# Altium PCB Fornello.PcbDoc (part 2 of 2) (continued)
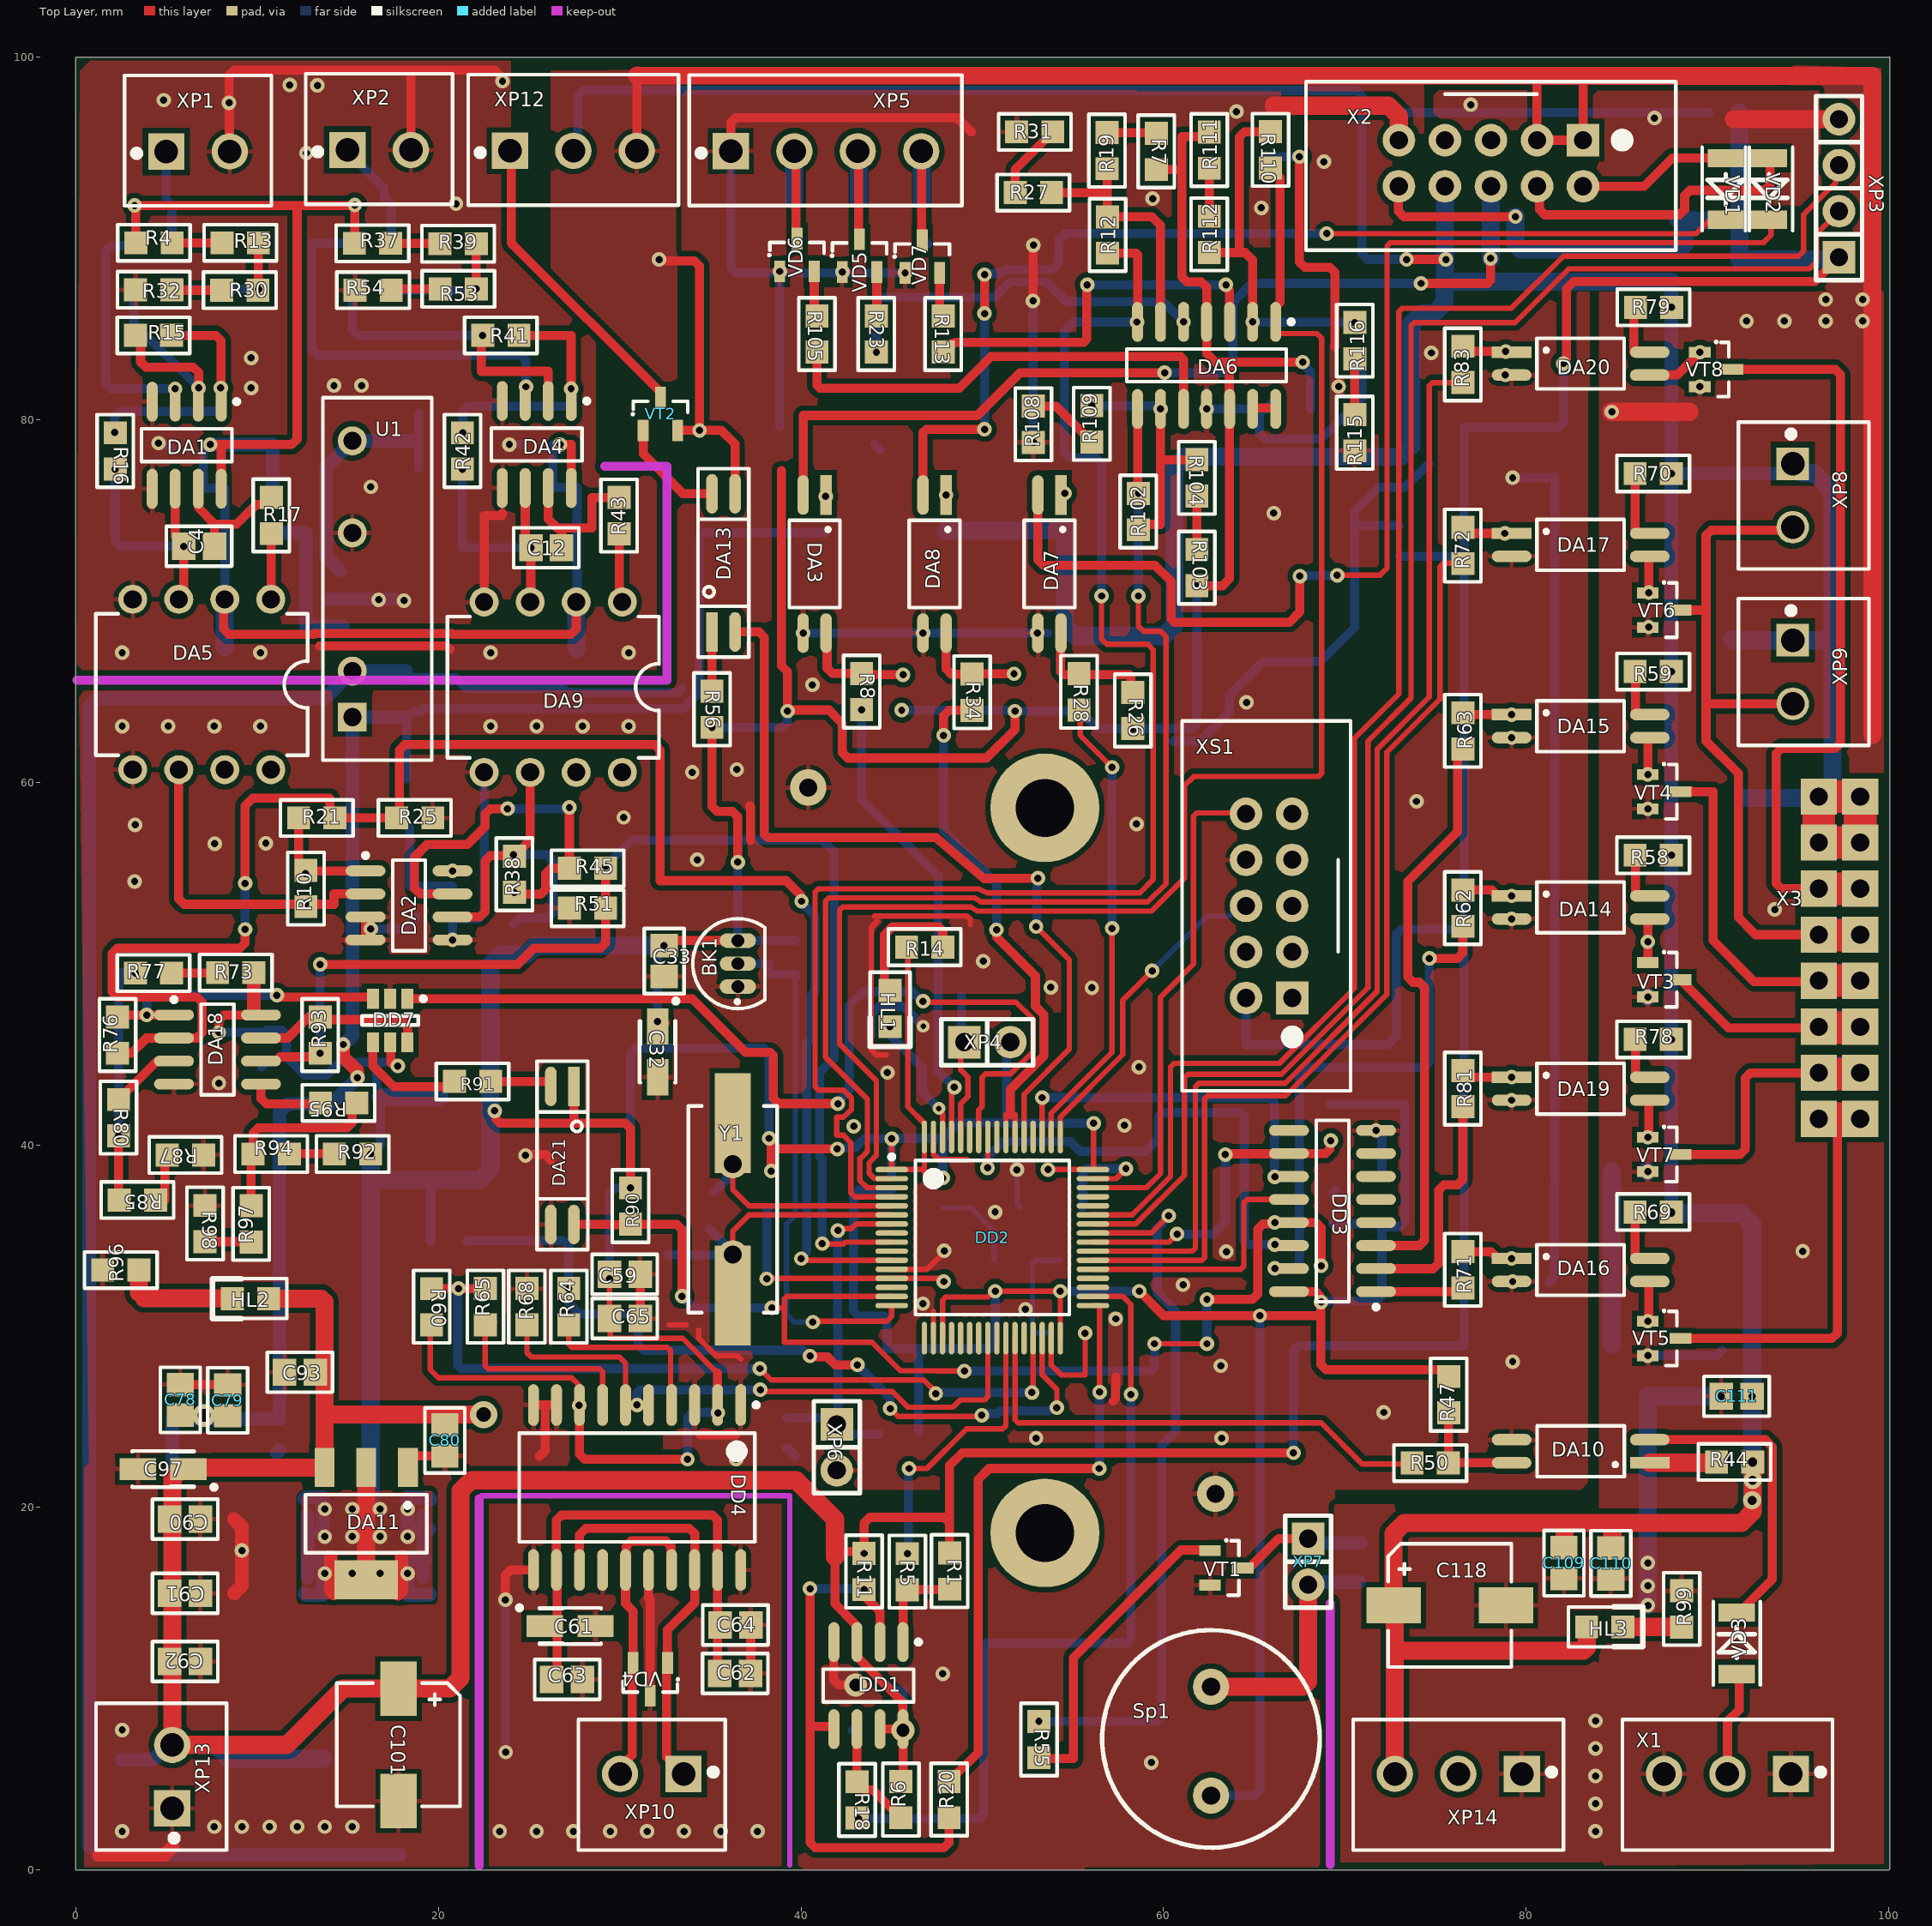
[diagram p0: Top Layer view]
## Nets (pads, with @x,y where several pads share a name; then routed paths per layer and width w, separated by ;. In a path a pad name is that pad's centre, name@x,y a point inside that pad or via, vN(x,y) a via of type N, cw(c..) or ccw(c..) an arc to the next point about the centre after c; other vN are vias at no path point) (continued)
  Bottom Layer w0.5: R46.2@15.389,87.15 15.256,87.016 15.256,84.954 15.549,84.661 v1(22.444,84.661)
NetDA4_3: DA4.3 R49.2 | length 21.7
  Bottom Layer w0.5: R49.2@15.383,89.741 13.021,89.741 13.021,83.861 13.313,83.568 24.539,83.568 24.832,83.276 v1(24.832,81.828)
NetDA5_1: DA5.1 R17.2 | length 3.6
  Top Layer w0.5: DA5.1@10.756,70.102 10.785,70.132 R17.2@10.785,73.729
NetDA6_2: DA6.2 R110.1 R112.1 R116.2 | length 19.9
  Top Layer w0.5: R112.1@62.525,89.233 64.1,89.233 ; v2(64.918,85.406) 64.918,88.807 64.493,89.233 64.1,89.233 ; R110.1@65.903,95.897 64.469,95.897 64.176,95.604 64.176,89.309 64.1,89.233
  Bottom Layer w0.5: v2(64.918,85.406) 64.935,85.389 70.535,85.389 v2(70.552,85.372)
NetDA6_3: DA6.3 R113.2 | length 21
  Top Layer w0.3: v2(63.443,87.455) 63.443,87.319 v2@63.648,87.114
  Top Layer w0.5: R113.2@47.844,83.737 48.329,84.222 48.447,84.222 48.505,84.28 55.59,84.28 55.766,84.455 v2@55.766,87.455 ; DA6.3@63.648,85.406 v2@63.648,87.114
  Bottom Layer w0.5: v2(55.794,87.455) v2(63.443,87.455)
NetDA6_5: DA6.5 R23.2 | length 21.1
  Bottom Layer w0.5: v2(44.161,83.737) 44.161,86.476 44.454,86.769 50.689,86.769 51.527,87.607 53.534,87.607 54.626,86.515 59.999,86.515 v2(61.108,85.406)
NetDA6_6: DA6.6 R12.1 R19.1 R27.2 | length 14.2
  Top Layer w0.5: R27.2@53.822,92.535 56.848,92.535 56.898,92.585 ; R19.1@56.885,93.855 56.898,93.842 56.898,92.585 ; DA6.6@59.838,85.406 59.838,90.726 59.366,91.198 R12.1@56.912,91.198 56.898,91.211 56.898,92.585
NetDA6_9: DA6.9 R102.1 R104.1 R109.2 | length 13.6
  Top Layer w0.5: R102.1@58.614,73.942 58.906,74.235 59.838,74.235 59.838,77.752 ; v2(59.838,80.606) 59.838,77.752 ; R104.1@61.839,77.803 59.889,77.803 59.838,77.752
  Bottom Layer w0.5: v2(56.048,80.784) 59.579,80.784 59.757,80.606 v2(59.838,80.606)
NetDA6_10: DA6.10 R105.2 | length 25.6
  Top Layer w0.5: R105.2@40.884,83.737 40.884,81.915 41.06,81.74 48.733,81.74 50.486,83.492 60.933,83.492 61.108,83.316 DA6.10@61.108,80.606
NetDA6_13: DA6.13 DA6.14 | length 1.3
  Top Layer w0.5: DA6.13@64.918,80.606 64.938,80.625 64.938,80.647 DA6.14@66.188,80.647
NetDA7_1: DA7.1 R29.1
  other v2: 54.55,75.952
NetDA7_2: DA7.2 VD2.2 | length 67.9
  Top Layer w0.3: v2(69.586,71.427) 71.951,71.427 72.33,71.806 72.33,89.598 72.505,89.774 93.093,89.774 93.515,90.196 VD2.2@93.515,91.043
  Top Layer w0.5: DA7.2@53.075,75.857 53.075,72.279 53.368,71.986 59.528,71.986 59.579,71.935 60.417,71.097 60.417,69.012 60.593,68.836 66.945,68.836 67.529,69.421 v2(67.529,71.376)
  Bottom Layer w0.3: v2(67.529,71.376) v2@67.554,71.402 ; v2@69.561,71.402 v2(69.586,71.427)
  Bottom Layer w0.5: v2@67.554,71.402 v2@69.561,71.402
NetDA7_4: DA7.4 R26.1 R28.1 | length 7.1
  Top Layer w0.3: DA7.4@54.321,68.176 54.345,68.2 DA7.4@54.345,68.237 ; 58.133,65.941 58.196,65.878 ; R26.1@58.196,65.082 R26.1@58.309,64.969
  Top Layer w0.5: DA7.4@54.321,68.176 54.321,66.117 54.497,65.941 58.133,65.941 ; R26.1@58.196,65.082 58.196,65.878
NetDA8_1: DA8.1 R35.1
  other v2: 48.005,75.857
NetDA8_2: DA8.2 VD1.2 | length 58
  Top Layer w0.3: v2(69.002,90.274) 89.383,90.274 90.152,91.043 VD1.2@90.652,91.043
  Top Layer w0.5: DA8.2@46.735,75.857 46.735,79.303 46.911,79.479 v2(50.13,79.479) ; v2(50.13,85.868) v2(50.13,88.013)
  Bottom Layer w0.5: v2(50.13,79.479) v2(50.13,85.868) ; v2(50.13,88.013) 50.187,88.071 51.001,88.071 51.237,88.307 53.927,88.307 54.219,88.6 54.219,89.918 54.575,90.274 v2(69.002,90.274)
NetDA8_4: DA8.4 R33.1 R34.1 | length 5.8
  Top Layer w0.5: DA8.4@48.005,68.237 48.005,66.268 48.298,65.976 R34.1@49.444,65.976 49.46,65.992 v1(51.756,65.992)
NetDA9_1: DA9.1 R43.2 | length 3.9
  Top Layer w0.5: R43.2@29.988,73.72 29.988,69.954 DA9.1@30.144,69.954
NetDA10_1: DA10.1 R44.2 | length 3.7
  Top Layer w0.5: R44.2@90.469,22.469 R44.2@90.507,22.507
  Top Layer w1: DA10.1@86.826,22.469 R44.2@90.469,22.469
NetDA10_2: DA10.2 VD3.2 | length 16.9
  Top Layer w0.5: DA10.2@86.826,23.739 93.195,23.739 93.592,23.342 93.592,16.032 VD3.2@91.699,14.139
NetDA10_4: DA10.4 R47.1 R50.1 | length 6.3
  Top Layer w0.5: R47.1@75.733,25.225 75.717,25.209 R50.1@75.717,22.456 75.73,22.469 DA10.4@79.206,22.469
NetDA12_1: DA12.1 L3.1 | length 9.1
  Bottom Layer w0.5: 12.69,68.608 12.692,68.606
  Bottom Layer w0.75: L3.1@10.785,73.755 12.69,73.755 12.69,68.608 ; 12.692,68.606 DA12.1@14.735,68.606
NetDA13_1: DA13.1 R56.1 | length 3.3
  Top Layer w0.5: R56.1@35.093,65.036 DA13.1@35.093,68.303
NetDA13_4: DA13.4 VT2.1 | length 6
  Top Layer w0.5: VT2.1@31.298,79.417 31.298,78.118 33.493,75.923 DA13.4@35.093,75.923
NetDA14_3: DA14.3 R66.2 VT3.1 | length 3.6
  Top Layer w0.5: VT3.1@86.716,50.066 v1(86.716,51.209) 86.716,52.407 86.778,52.469 DA14.3@86.826,52.469
  Bottom Layer w0.5: R66.2@86.716,50.066 v1(86.716,51.209)
NetDA14_4: DA14.4 R58.1 | length 2.4
  Top Layer w0.5: DA14.4@86.038,53.833 R58.1@86.038,56.213
NetDA15_3: DA15.3 R67.2 VT4.1 | length 2.1
  Top Layer w0.5: v1(86.716,60.439) 86.716,62.359 DA15.3@86.826,62.469
NetDA15_4: DA15.4 R59.1 | length 2.4
  Top Layer w0.5: DA15.4@86.038,63.739 R59.1@86.038,66.119
NetDA16_3: DA16.3 R74.2 VT5.1 | length 1.9
  Top Layer w0.5: VT5.1@86.771,30.467 DA16.3@86.771,32.409
  other v1: 86.716,30.274 86.716,30.274 86.716,30.274
NetDA16_4: DA16.4 R69.1 | length 2.4
  Top Layer w0.5: DA16.4@86.008,33.697 R69.1@86.008,36.077
NetDA17_3: DA17.3 R75.2 VT6.1 | length 2
  Top Layer w0.5: v1(86.771,70.472) 86.771,72.414 DA17.3@86.826,72.469
NetDA17_4: DA17.4 R70.1 | length 3
  Top Layer w0.5: DA17.4@86.013,73.739 R70.1@86.013,76.736
NetDA18_1: DA18.1 DD7.3 R76.2 | length 16.6
  Top Layer w0.5: R76.2@2.302,47.062 2.41,47.17 v1(3.912,47.17) DA18.1@5.414,47.17 ; v1(11.09,48.262) 11.171,48.262 11.273,48.161 16.314,48.161 16.389,48.086 DD7.3@16.389,48.065
  Bottom Layer w0.5: v1(3.912,47.17) 3.912,47.893 4.281,48.262 v1(11.09,48.262)
NetDA18_3: DA18.3 R80.2 | length 3.9
  Top Layer w0.5: R80.2@2.353,42.506 4.458,44.611 5.394,44.611 DA18.3@5.414,44.63
NetDA18_5: DA18.5 R95.2 | length 4.2
  Top Layer w0.5: DA18.5@10.214,43.36 10.214,42.561 10.506,42.268 13.443,42.268 R95.2@13.494,42.319
NetDA18_7: DA18.7 DD7.6 R93.2 | length 9.7
  Top Layer w0.5: DA18.7@10.214,45.9 11.686,45.9 12.848,47.062 R93.2@13.478,47.062 ; R93.2@13.395,46.979 13.458,46.916 17.996,46.916 18.289,46.623 DD7.6@18.289,45.665
NetDA19_3: DA19.3 R88.2 VT7.1 | length 1.9
  Top Layer w0.5: VT7.1@86.771,40.5 DA19.3@86.771,42.442
  other v1: 86.716,40.424
NetDA19_4: DA19.4 R78.1 | length 2.4
  Top Layer w0.5: DA19.4@86.038,43.673 R78.1@86.038,46.053
NetDA20_3: DA20.3 R89.2 VT8.1 | length 3.3
  Top Layer w0.5: DA20.3@86.826,82.469 88.329,82.469 v1(89.591,83.731)
NetDA20_4: DA20.4 R79.1 | length 2.5
  Top Layer w0.5: DA20.4@85.937,83.739 R79.1@85.937,86.21
NetDA21_2: DA21.2 R91.1 | length 3.6
  Top Layer w0.5: R91.1@22.885,43.505 26.141,43.505 26.203,43.443 DA21.2@26.203,43.233
NetDD1_1: DD1.1 R1.2 R5.2 | length 5.1
  Top Layer w0.5: DD1.1@45.63,12.577 R5.2@45.63,15.364 ; R5.2@45.866,15.458 45.884,15.476 48.186,15.476 R1.2@48.203,15.493
NetDD1_2: DD1.2 DD1.5 R11.2 R20.1 | length 30.8
  Top Layer w0.5: v2(40.503,15.522) 40.503,10.315 40.503,1.514 40.796,1.222 47.881,1.222 48.174,1.514 R20.1@48.174,2.889 ; 40.58,7.927 DD1.5@41.82,7.927 ; DD1.5@41.82,7.53 DD1.5@41.82,7.777 ; R11.2@43.399,15.217 44.36,14.256 DD1.2@44.36,12.577
  Bottom Layer w0.5: v2(40.503,15.522) 43.424,15.522 v2(43.479,15.468)
NetDD1_6: DD1.6 R6.1 R18.1 | length 5.5
  Top Layer w0.5: R18.1@43.09,4.877 DD1.6@43.09,7.777 ; R18.1@43.536,4.431 43.965,4.431 R6.1@45.511,2.885
NetDD4_4: DD4.4 R64.1 | length 9.9
  Top Layer w0.3: R64.1@27.194,30.078 27.194,29.005 27.37,28.83 32.632,28.83 32.807,28.654 32.807,25.711 DD4.4@32.865,25.654
NetDD4_7: DD4.7 R65.1 | length 10.9
  Top Layer w0.3: R65.1@22.596,30.078 22.571,30.052 22.571,27.83 22.747,27.654 28.879,27.654 29.055,27.478 DD4.7@29.055,25.654
  Top Layer w0.5: R65.1@22.883,30.057 R65.1@23.003,30.178
NetDD4_13: DD4.13 DD4.18 VD4.1 XP10.1 | length 22.7
  Top Layer w0.5: DD4.13@27.785,16.554 27.785,18.506 28.133,18.854 33.842,18.854 34.135,18.561 34.135,14.741 32.64,13.246 VD4.1@32.64,11.418 ; VD4.1@32.589,11.28 32.589,6.237 XP10.1@33.522,5.304
NetDD4_15: DD4.15 DD4.17 VD4.2 XP10.2 | length 16.7
  Top Layer w0.5: XP10.2@30.022,5.304 30.022,5.68 30.689,6.347 VD4.2@30.689,11.026 ; VD4.2@30.74,11.418 30.74,14.295 30.325,14.709 DD4.15@30.325,16.554 30.344,16.573 30.344,17.494 30.357,17.507 30.357,17.861 30.65,18.154 32.539,18.154 32.832,17.861 32.832,17.464 32.865,17.431 DD4.17@32.865,16.554
NetDD7_4: DD7.4 R91.2 | length 6.4
  Top Layer w0.5: DD7.4@16.389,45.665 16.389,44.361 17.542,43.208 20.588,43.208 R91.2@20.885,43.505
NetHL1_1: HL1.1 R14.2 | length 7.6
  Top Layer w0.5: HL1.1@44.914,48.526 44.593,48.847 44.593,51.584 45.04,52.031 47.602,52.031 47.828,51.805 R14.2@47.828,50.913
NetHL2_2: HL2.2 R96.1 | length 6.5
  Top Layer w0.5: 3.48,31.842 3.772,31.549 ; HL2.2@8.608,31.549 HL2.2@8.633,31.524
  Top Layer w1: 3.48,31.842 R96.1@3.48,33.099 ; 3.772,31.549 HL2.2@8.608,31.549
NetHL3_2: HL3.2 R99.1 | length 3.2
  Top Layer w0.3: R99.1@88.576,13.414 R99.1@88.586,13.404
  Top Layer w1: HL3.2@85.344,13.414 R99.1@88.576,13.414
NetR4_1: R4.1 R13.2 | length 2.8
  Top Layer w0.5: R4.1@5.308,89.766 R13.2@8.068,89.766
NetR7_1: R7.1 R19.2 | length 2.7
  Top Layer w0.5: R19.2@56.885,95.855 56.907,95.833 59.582,95.833 R7.1@59.604,95.811
NetR13_1: R13.1 R22.1 R30.2 | length 7.6
  Top Layer w0.5: R30.2@10.042,87.15 10.068,87.175 R13.1@10.068,89.766
  Bottom Layer w0.5: R22.1@5.258,87.226 5.223,87.226 5.223,87.201 v1(10.1,87.201)
NetR23_1: R23.1 VD5.2 | length 2.4
  Top Layer w0.3: R23.1@44.161,85.737 R23.1@44.185,85.76
  Top Layer w0.5: R23.1@44.185,85.76 VD5.2@44.185,88.161
NetR27_1: R27.1 R31.2 | length 4.2
  Top Layer w0.5: R27.1@51.822,92.535 51.822,93.811 R31.2@53.899,95.887
NetR30_1: R30.1 R32.2 | length 2.8
  Top Layer w0.5: R32.2@5.283,87.15 R30.1@8.042,87.15
NetR37_1: R37.1 R39.2 | length 2.7
  Top Layer w0.5: R37.1@17.364,89.741 20.088,89.741 R39.2@20.088,89.715
NetR39_1: R39.1 R46.1 R53.2 | length 7.2
  Top Layer w0.5: R39.1@22.088,89.715 v1(22.088,87.226) R53.2@22.098,87.226
  Bottom Layer w0.5: R46.1@17.389,87.15 v1@22.063,87.15
NetR53_1: R53.1 R54.2 | length 2.7
  Top Layer w0.5: R54.2@17.399,87.226 R53.1@20.098,87.226
NetR55_2: R55.2 VT1.1 | length 17.5
  Top Layer w0.3: VT1.1@62.524,17.655 VT1.1@62.565,17.615
  Top Layer w0.5: R55.2@53.127,6.2 53.178,6.149 55.032,6.149 55.032,11.712 60.976,17.655 VT1.1@62.524,17.655
NetR73_1: R73.1 R77.2 | length 2.5
  Top Layer w0.5: R77.2@5.283,49.482 7.795,49.482 R73.1@7.82,49.507
NetR77_1: R77.1 R80.1 R85.2 | length 13.4
  Top Layer w0.5: R85.2@2.353,36.959 v1(2.353,40.506)
  Bottom Layer w0.5: v1(2.353,40.506) 2.353,49.29 2.6,49.538 3.227,49.538 v1(3.283,49.482)
NetR85_1: R85.1 R87.2 | length 1.8
  Top Layer w0.5: R85.1@4.902,36.959 4.902,38.798
NetR86_1: R86.1 VT1.3 XP7.1 | length 7.3
  Top Layer w0.5: VT1.3@64.365,16.665 64.415,16.715 64.785,16.715 66.351,18.281 XP7.1@67.981,18.281
  Bottom Layer w0.5: XP7.1@67.981,18.281 XP7.1@68.241,18.02
  Bottom Layer w0.75: XP7.1@68.241,18.02 R86.1@70.907,18.02
NetR86_2: R86.2 Sp1.1 XP7.2 | length 13.9
  Top Layer w1: Sp1.1@62.622,10.109 67.688,10.109 67.981,10.402 XP7.2@67.981,15.741
  Bottom Layer w0.5: XP7.2@67.981,15.741 XP7.2@68.121,15.88 ; R86.2@70.767,15.88 R86.2@70.907,16.02
  Bottom Layer w0.75: XP7.2@68.121,15.88 R86.2@70.767,15.88
NetR92_1: R92.1 R94.2 | length 2.5
  Top Layer w0.5: R94.2@11.776,39.525 R92.1@14.265,39.525
NetR94_1: R94.1 R95.1 R97.2 | length 11.1
  Top Layer w0.5: R97.2@9.668,36.648 9.668,39.391 R94.1@9.776,39.499 9.776,40.654 10.069,40.947 14.949,40.947 15.242,41.24 15.242,41.934 15.36,42.052 R95.1@15.507,42.052 ; R95.1@15.494,42.319 15.634,42.179 R95.1@15.761,42.052
NetR97_1: R97.1 R98.2 | length 2.5
  Top Layer w0.5: R98.2@7.128,34.664 9.652,34.664 R97.1@9.668,34.648
NetR103_1: R103.1 R104.2 | length 3
  Top Layer w0.5: R103.1@61.839,72.85 R104.2@61.839,75.803
NetR105_1: R105.1 VD6.2 | length 2.5
  Top Layer w0.3: R105.1@40.732,85.889 R105.1@40.884,85.737
  Top Layer w0.5: R105.1@40.732,85.889 VD6.2@40.732,88.191
NetR108_2: R108.2 R109.1 | length 4
  Top Layer w0.5: R108.2@52.822,80.758 54.074,80.758 R109.1@56.048,78.784
NetR111_1: R111.1 R112.2 | length 2.6
  Top Layer w0.5: R112.2@62.525,91.233 R111.1@62.525,93.881
NetR113_1: R113.1 VD7.2 | length 2.5
  Top Layer w0.3: R113.1@47.646,85.935 R113.1@47.844,85.737
  Top Layer w0.5: R113.1@47.646,85.935 VD7.2@47.646,88.111
NetR115_2: R115.2 R116.1 | length 3.1
  Top Layer w0.5: R115.2@70.552,80.292 R116.1@70.552,83.372
NetVD3_1: VD3.1 X1.2 | length 5.8
  Top Layer w0.5: X1.2@91.112,5.304 91.112,8.2 91.766,8.854 91.766,10.672 VD3.1@91.627,10.81
OE: DA21.4 DD2.15 DD3.13 R82.1 R90.1 | length 63.6
  Top Layer w0.3: v2@38.3,30.92 v2(38.395,31.016) 39.081,31.016 ; 43.907,29.111 39.081,29.111 39.081,31.016 ; 43.92,29.124 45.502,27.541 47.466,27.541 47.482,27.525 v2(49.018,27.525) ; DD2.15@45.008,31.641 39.208,31.641 39.081,31.514 39.081,31.016 ; v2(59.503,29.035) v2(62.398,29.035)
  Top Layer w0.5: DA21.4@27.473,35.613 29.48,35.613 29.505,35.588 30.556,35.588 R90.1@30.597,35.629 33.149,35.629 33.442,35.336 v2(33.442,31.651) ; v2(62.398,31.473) 64.899,31.473 65.192,31.766 65.192,35.346 65.485,35.639 65.83,35.639 65.855,35.664 66.04,35.664 66.103,35.727 v1(66.144,35.727) ; DD3.13@66.925,35.722 68.405,35.722 68.697,35.429 v2(68.697,33.337)
  Bottom Layer w0.5: v2(33.442,31.651) 34.077,31.016 v2(38.395,31.016) ; v2(49.018,27.525) 59.327,27.525 59.503,27.701 v2(59.503,29.035) ; v2(62.398,29.035) v2(62.398,31.473)
Off: DA13.2 DD2.53 | length 44.7
  Top Layer w0.3: DD2.53@52.308,40.441 52.308,42.795 54.804,45.291 54.804,50.218 v2(52.975,52.047)
  Top Layer w0.5: DA13.2@36.363,68.303 37.691,68.303 37.984,68.01 37.984,57.13 38.16,56.954 47.45,56.954 50.102,54.699 50.417,54.699 50.433,54.714 v2(53.076,54.714)
  Bottom Layer w0.5: v2(52.975,52.047) 53.026,52.098 53.026,54.663 v2(53.076,54.714)
Off_rl: VT2.3 XP12.1 | length 17.1
  Top Layer w0.5: XP12.1@23.946,94.842 24.019,94.77 24.019,89.754 24.312,89.461 32.198,81.574 32.198,81.267 VT2.3@32.248,81.217
Reset: C17.1 DD2.7 R52.2 XP6.1 | length 19.3
  Top Layer w0.3: v1(42.041,35.283) 42.136,35.379 42.778,35.379 43.041,35.641 DD2.7@45.008,35.641
  Bottom Layer w0.5: C17.1@39.173,24.957 41.609,24.957 42.527,24.04 42.811,24.04 42.819,24.031 R52.2@44.314,24.031 ; v1(42.041,35.283) 42.028,35.27 42.028,29.996 42.05,29.973 XP6.1@42.05,24.59
Right: DD3.2 R81.1 | length 13.2
  Top Layer w0.5: DD3.2@71.725,33.182 71.732,33.175 74.882,33.175 75.174,33.468 75.174,37.505 75.467,37.798 76.223,37.798 76.516,38.09 R81.1@76.516,42.106
Rt_rl: VT7.3 X3.3 X3.4 | length 16.5
  Top Layer w0.5: VT7.3@88.516,39.474 91.798,39.474 92.091,39.767 92.091,43.687 92.384,43.98 X3.3@96.148,43.98 X3.3@96.209,43.919 ; X3.4@98.434,43.98 98.434,43.926 X3.4@98.441,43.919
  Top Layer w1.8: X3.3@96.209,43.919 X3.4@98.441,43.919
  Bottom Layer w1.8: X3.3@96.148,43.98 X3.4@98.434,43.98
RX1: DD2.43 XP3.3 | length 90.8
  Top Layer w0.3: DD2.43@56.108,36.141 58.266,36.141 60.392,38.267 60.392,44.3 60.595,44.503 66.398,44.503 70.531,48.636 70.531,62.418 72.99,64.877 72.99,85.983 73.166,86.159 79.189,86.159 82.059,89.029 95.025,89.029 95.318,89.322 95.318,91.329 96.75,92.761 96.78,92.761 97.073,93.054 97.073,93.856 XP3.3@97.268,94.051
RX3: DD2.30 R61.1 R64.2 | length 44
  Top Layer w0.3: v2(44.923,25.453) 44.926,25.453 45.349,25.031 49.916,25.031 v2(49.978,25.092) ; DD2.30@53.308,29.341 53.308,27.329 54.118,26.52 v2(54.118,25.504)
  Top Layer w0.5: v2(40.503,28.361) 40.561,28.303 41.466,28.303 41.903,27.866 v2(43.12,27.866)
  Bottom Layer w0.5: R61.1@21.564,34.673 21.615,34.724 26.901,34.724 27.194,34.431 v2(27.194,32.078) 27.251,32.02 27.251,31.216 27.782,30.686 30.736,30.686 31.029,30.393 31.029,28.972 31.322,28.679 40.104,28.679 40.422,28.361 v2(40.503,28.361) ; v2(43.12,27.866) 44.915,26.071 44.915,25.462 v2(44.923,25.453) ; v2(49.978,25.092) 50.064,25.179 50.828,25.179 50.991,25.342 53.692,25.342 53.758,25.408 54.022,25.408 v2(54.118,25.504)
SCK: DD2.51 DD3.11 | length 19.2
  Top Layer w0.3: DD2.51@53.308,40.441 v1(53.308,42.61)
  Bottom Layer w0.5: v1(53.308,42.61) 65.836,42.61 66.129,42.317 v1@66.129,38.244
  other v1: 66.144,38.244
Sp1: DD2.41 R55.1 | length 40.1
  Top Layer w0.3: DD2.41@56.108,35.141 59.335,35.141 v2(60.29,36.096)
  Bottom Layer w0.5: v2(53.127,8.2) 59.616,8.2 59.909,8.493 59.909,23.435 60.671,24.197 60.671,30.83 59.655,31.846 59.655,35.416 60.29,36.051 v2(60.29,36.096)
SWCLK: DD2.49 XS1.6 | length 17.9
  Top Layer w0.3: DD2.49@54.308,40.441 54.308,41.539 57.75,44.981 57.75,47.983 v2(59.373,49.606)
  Bottom Layer w0.3: v2(59.373,49.606) 62.383,52.617 63.631,52.617 64.205,53.19 XS1.6@64.557,53.19
SWDIO: DD2.46 XS1.10 | length 27.5
  Top Layer w0.3: DD2.46@56.108,37.641 59.059,37.641 59.833,38.415 59.833,48.149 61.658,49.974 61.658,58.143 61.834,58.318 64.509,58.318 XS1.10@64.557,58.27
Temp: DA18.2 DD2.11 R21.2 R25.2 R76.1 | length 98.2
  Top Layer w0.3: v2(40.021,33.727) 40.107,33.641 DD2.11@45.008,33.641
  Top Layer w0.5: R76.1@2.302,45.062 3.064,45.062 3.902,45.9 DA18.2@5.414,45.9 6.683,45.9 6.975,46.193 6.975,47.868 6.683,48.161 2.29,48.161 1.997,48.454 1.997,50.56 2.29,50.853 9.045,50.853 9.338,51.146 v1(9.338,51.895) ; v1(9.338,54.435) 9.338,58.714 9.75,59.126 13.998,59.126 14.021,59.103 14.021,58.311 R21.2@14.291,58.041 R25.2@17.694,58.041 17.847,58.194 17.847,61.787 18.139,62.08 31.938,62.08 32.231,61.787 32.231,54.579 39.188,54.579 39.975,53.791 39.975,53.501 v2(40.033,53.444)
  Bottom Layer w0.5: v1(9.338,51.895) v1(9.338,54.435) ; v2(40.021,33.727) 40.021,33.809 40.328,34.116 40.328,45.623 40.591,45.886 40.591,48.263 40.776,48.448 40.776,52.62 40.033,53.363 v2(40.033,53.444)
tempIn: R3.1 R24.1 XP1.1 | length 5.4
  Bottom Layer w0.5: XP1.1@4.99,94.804 4.99,92.158 R3.1@5.299,91.849 R24.1@5.299,89.512
TX1: DD2.42 XP3.2 | length 88.4
  Top Layer w0.3: DD2.42@56.108,35.641 58.473,35.641 61.154,38.322 61.154,43.716 61.341,43.903 66.505,43.903 71.288,48.686 71.288,62.283 73.66,64.655 73.66,85.196 73.836,85.372 79.391,85.372 82.349,88.329 95.616,88.329 96.018,88.731 96.018,90.261 XP3.2@97.268,91.511
TX3: DD2.29 R60.1 R65.2 | length 42.6
  Top Layer w0.3: v2(37.735,27.663) 38.357,27.041 46.783,27.041 47.438,26.387 v2(47.438,26.281) ; v2(52.746,26.342) 52.808,26.404 DD2.29@52.808,29.341
  Top Layer w0.5: R60.1@19.625,32.077 R65.2@22.596,32.078
  Bottom Layer w0.5: v2@21.072,32.039 21.072,27.839 21.248,27.663 v2(37.735,27.663) ; v2(47.438,26.281) 47.495,26.338 47.707,26.338 47.711,26.342 v2(52.746,26.342)
  other v2: 21.11,32.077
XTAL1: C11.1 DD2.5 R40.2 Y1.2 | length 15.2
  Top Layer w0.3: Y1.2@36.238,38.949 36.238,37.537 37.134,36.641 DD2.5@45.008,36.641
  Bottom Layer w0.5: R40.2@35.22,37.417 36.217,38.413 36.217,38.927 Y1.2@36.238,38.949 36.238,41.563 C11.1@36.296,41.621
XTAL2: C13.1 DD2.6 R40.1 Y1.1 | length 16
  Top Layer w0.3: Y1.1@36.238,33.949 36.238,35.245 37.134,36.141 DD2.6@45.008,36.141
  Bottom Layer w0.5: C13.1@32.655,33.949 Y1.1@36.238,33.949 36.238,34.084 R40.1@34.936,35.386
pads on no net: DA5.7 DA5.8 DA9.7 DA9.8 DD2.8 DD2.10 DD2.14 DD2.17 DD2.20 DD2.21 DD2.22 DD2.23 DD2.25 DD2.28 DD2.35 DD2.36 DD2.44 DD2.45 DD2.52 DD2.56 DD2.59 DD3.4 DD3.5 DD3.6 DD3.7 DD3.9 X2.5 X2.7 XP14.2 XS1.1 XS1.3 XS1.4 XS1.5 XS1.7 XS1.9

## Polygon pours and split planes (outlines as drawn)
GND on Bottom Layer "GND" (solid, remove dead copper, pour order 17): 32.883,84.203 32.883,81.689 32.381,20.97 83.46,20.97 83.409,21.021 83.409,84.667
GND on Bottom Layer "GND" (solid, remove dead copper, pour order 15): 32.883,99.493 32.883,81.956 58.436,81.956 58.436,84.915 58.436,91.179 58.436,99.493
GND on Bottom Layer "GND_L02_P046" (solid, pour order 46): 61.789,84.991 61.789,81.576 61.905,81.46 75.225,81.46 75.225,84.94 75.2,84.965
GND12V on Bottom Layer "GND" (solid, remove dead copper, pour order 51): 25.849,99.442 25.898,99.393 25.898,82.222 32.817,82.222 32.872,82.168 32.872,99.481 32.883,99.493
GND on Bottom Layer "GND_L02_P040" (solid, remove dead copper, pour order 40): 35.627,97.462 35.627,98.529 35.627,89.766 58.182,89.766 58.385,89.969 58.385,97.462
GND on Bottom Layer "GND" (solid, remove dead copper, pour order 25): 74.514,98.377 74.514,81.634 83.414,81.634 83.414,87.033 83.734,87.353 83.861,87.226 90.948,87.226 90.948,90.782 90.948,98.377
GND12V on Bottom Layer "GND12V_L02_P045" (solid, remove dead copper, pour order 45): 66.767,99.52 66.767,89.385 67.834,89.385 67.859,89.41 67.91,89.36 67.91,85.423 74.539,85.423 74.387,85.575 74.387,99.469
GND on Bottom Layer "GND_L02_P043" (solid, pour order 43): 58.121,97.843 58.121,89.616 58.677,89.616 66.348,89.616 66.348,97.843
GND12V on Bottom Layer "GND" (solid, remove dead copper, pour order 23): 69.468,20.16 69.34,20.287 69.468,0.409 84.395,0.409 84.14,0.663 84.14,20.287
GND on Bottom Layer "GND" (solid, remove dead copper, pour order 27): 0.016,65.636 0.93,64.722 0.93,24.59 23.968,24.59 24.146,24.767 24.146,21.034 24.73,20.957 33.468,20.957 33.468,64.772 32.655,65.585
GND on Bottom Layer "GND" (solid, remove dead copper, pour order 34): 39.715,21.11 39.386,0.155 55.566,0.028 55.693,0.155 69.459,0.155 69.459,21.11 69.282,21.288
GND on Bottom Layer "GND" (solid, remove dead copper, pour order 10): 0.194,0.409 0.194,0.764 0.194,25.047 21.631,25.047 21.657,25.072 21.657,0.256 21.733,0.18
GND12V on Bottom Layer "GND" (solid, remove dead copper, pour order 21): 84.039,87.099 84.039,0.409 83.963,0.333 84.064,0.231 99.742,0.333 99.685,86.718 99.228,87.175
AGND on Bottom Layer "GND" (solid, remove dead copper, pour order 1): 0.166,99.238 0.752,99.824 25.848,99.824 25.898,89.291 25.848,87.937 25.898,77.447 32.452,77.447 32.452,65.661 20.514,65.661 20.514,67.744 13.452,67.744 13.452,65.636 0.016,65.636 0.016,65.687
GND12V on Bottom Layer "GND" (solid, pour order 37): 91.456,98.681 91.456,86.464 99.635,86.464 99.635,98.681
GND on Bottom Layer "GND" (solid, pour order 19): 29.112,82.168 29.112,77.733 28.95,77.57 33.165,77.57 32.872,81.956 32.872,82.168
G4851 on Bottom Layer "GND" (solid, remove dead copper, pour order 29): 22.393,20.653 22.241,20.5 22.241,0.231 39.335,0.231 39.386,0.282 39.386,20.627
3.3V on Bottom Layer "3.3V" (solid, remove dead copper, pour order 8): 12.398,20.983 12.474,20.907 12.474,14.988 19.688,14.988 19.688,20.83 19.612,20.907
GND on Top Layer "GND" (solid, remove dead copper, pour order 16): 32.385,84.921 32.385,81.765 32.385,20.983 83.465,20.983 83.414,21.034 83.414,84.921
GND on Top Layer "GND" (solid, remove dead copper, pour order 26): 74.895,99.508 74.895,81.634 83.515,81.634 83.515,87.033 83.836,87.353 83.963,87.226 96.462,87.353 96.129,99.647
GND on Top Layer "GND" (solid, remove dead copper, pour order 14): 33.417,99.493 33.417,82.171 58.391,81.956 58.391,85.277 58.537,85.131 58.537,99.493
GND on Top Layer "GND" (solid, remove dead copper, pour order 28): 0.012,65.647 0.166,64.784 0.752,20.195 33.464,20.703 33.464,64.784 32.651,65.596
GND on Top Layer "GND" (solid, remove dead copper, pour order 35): 39.665,21.11 39.665,0.028 55.566,0.028 55.693,0.155 69.459,0.155 69.459,21.11 69.282,21.288
GND on Top Layer "GND_L01_P039" (solid, pour order 39): 35.525,98.427 35.525,89.664 35.627,89.766 58.182,89.766 58.182,98.478 58.283,98.58
GND on Top Layer "GND_L01_P042" (solid, remove dead copper, pour order 42): 57.902,98.123 58.004,89.537 58.817,89.537 66.488,89.537 66.488,98.123
AGND on Top Layer "GND" (solid, remove dead copper, pour order 3): 0.217,99.238 0.803,99.824 23.993,99.824 23.993,92.204 28.692,87.505 28.692,86.718 28.692,77.447 32.502,77.447 32.502,65.661 20.564,65.661 20.564,67.744 13.503,67.744 13.503,65.636 0.067,65.636 0.067,65.687
GND12V on Top Layer "GND" (solid, remove dead copper, pour order 53): 26.154,99.264 26.203,99.215 26.203,82.044 33.122,82.044 33.176,81.99 33.176,99.303 33.188,99.315
3.3V on Top Layer "3.3V" (solid, remove dead copper, pour order 7): 12.386,20.983 12.462,20.907 12.462,14.938 19.675,14.938 19.675,20.83 19.599,20.907
G4851 on Top Layer "GND1" (solid, remove dead copper, pour order 30): 22.399,20.642 22.247,20.49 22.247,0.221 39.341,0.221 39.392,0.271 39.392,20.617
GND12V on Top Layer "GND12V_L01_P044" (solid, remove dead copper, pour order 44): 67.834,99.469 67.91,89.36 67.834,89.385 67.859,89.41 67.91,89.36 67.91,85.423 74.539,85.423 74.387,85.575 74.387,99.469
3.3V on Top Layer "3.3V_L01_P050" (solid, pour order 50): 12.666,20.704 12.792,20.83 19.688,20.83 19.688,15.916 19.675,15.903 19.675,14.938 12.792,14.938
GND on Top Layer "GND" (solid, remove dead copper, pour order 38): 0.371,22.608 0.473,22.507 0.473,0.155 22.028,0.155 22.221,0.348 22.165,0.404 22.165,22.532
GND12V on Top Layer "GND" (solid, remove dead copper, pour order 36): 94.504,99.596 94.504,86.972 99.422,86.972 99.584,86.81 99.584,99.418
GND12V on Top Layer "GND" (solid, remove dead copper, pour order 22): 84.029,87.099 84.029,0.409 83.953,0.333 84.055,0.231 99.742,0.333 99.742,87.099
GND on Top Layer "GND_L01_P047" (solid, remove dead copper, pour order 47): 61.789,84.991 61.789,81.576 61.905,81.46 75.225,81.46 75.225,84.94 75.2,84.965
GND12V on Top Layer "GND" (solid, remove dead copper, pour order 24): 69.479,20.167 69.42,20.107 69.42,0.416 84.406,0.416 84.152,0.67 84.152,20.294
3.3V on Top Solder "GND" (solid): 12.462,20.582 12.462,15.001 12.525,14.938 19.645,14.938 19.645,20.378 19.476,20.548

## Keep-outs
Keep-Out Layer:
  lines w0.3: 22.393,20.653 39.386,20.653 ; 39.386,0.282 39.386,20.627
  lines w0.5: 0.067,65.636 32.611,65.636 ; 22.241,0.231 22.241,20.49 ; 29.175,77.447 32.604,77.447 32.604,65.661 ; 69.197,0.316 69.197,14.709

## Other copper
Top Layer:
  pour cut-out: 94.353,54.701 94.353,61.316 97.905,61.316 97.831,61.242 97.831,60.48 94.888,60.48 94.848,60.52 94.848,54.701
  pour cut-out: 14.566,21.646 14.523,21.689 14.523,24.316 19.311,24.316 19.142,24.147 19.142,23.57 17.549,23.57 17.491,23.512 17.491,21.415 17.014,21.415 16.866,21.563 16.866,23.579 15.166,23.579 15.23,23.514 15.23,21.516
  pour cut-out: 33.652,18.395 33.676,18.371 33.676,17.783 33.47,17.783 33.407,17.719 33.147,17.979 33.034,17.979 33.034,18.101 33.328,18.395
  pour cut-out: 33.181,18.136 33.328,18.283 33.328,18.395
  pour cut-out: 33.304,17.719 33.034,17.989 33.328,18.283 33.328,18.395 33.652,18.395 33.652,17.807 33.541,17.807 33.453,17.719
  pour cut-out: 33.112,18.265 33.198,18.265 33.328,18.395 33.652,18.395 33.652,17.807 33.676,17.783 33.612,17.719 33.294,17.719 33.034,17.979 33.034,18
  pour cut-out: 89.209,82.701 89.639,83.131 89.839,83.131 89.939,83.231 90.391,83.231 90.391,83.114 90.591,82.914 90.591,82.531 90.391,82.331 89.362,82.331

## Silkscreen, mask and mechanical layers (free items; w line width, h text height)
Top Paste:
  lines w4: 97.552,10.772 97.552,26.012 ; 97.552,85.956 97.552,97.132
Bottom Paste:
  lines w4: 97.552,10.772 97.552,26.012 ; 97.552,85.956 97.552,97.132
Top Solder:
  text "Gnd" at 90.805,95.91 h1.52
  text "Fornello" at 98.344,13.307 h2 r90
  text "+5V" at 3.064,9.629 h1.52 r90
  text "+12V" at 74.057,8.994 h1.52
Bottom Solder:
  text "telebite@yandex.ru 02.26" at 97.101,37.213 h1.2 r90
  text "Fornello" at 92.548,10.493 h2.5
  text "RS-485" at 36.109,9.07 h1.52
Board Shape:
  lines w0.3: 0,0 0,100 100,100 100,0 0,0